# Altium PCB mdriver_power.PcbDoc (part 2 of 5)
Units mm, origin at the board's own origin, x right, y up, seen from the top; angles counter-clockwise.
Board outline 219 x 190 mm, 4 copper layers (Top Layer, Int1 (GND), Int2 (PWR), Bottom Layer), stack 1.369 mm thick; 308 components, 215 nets, 985 pads, 431 vias.
Unrouted connection lines stored in the file: 74.
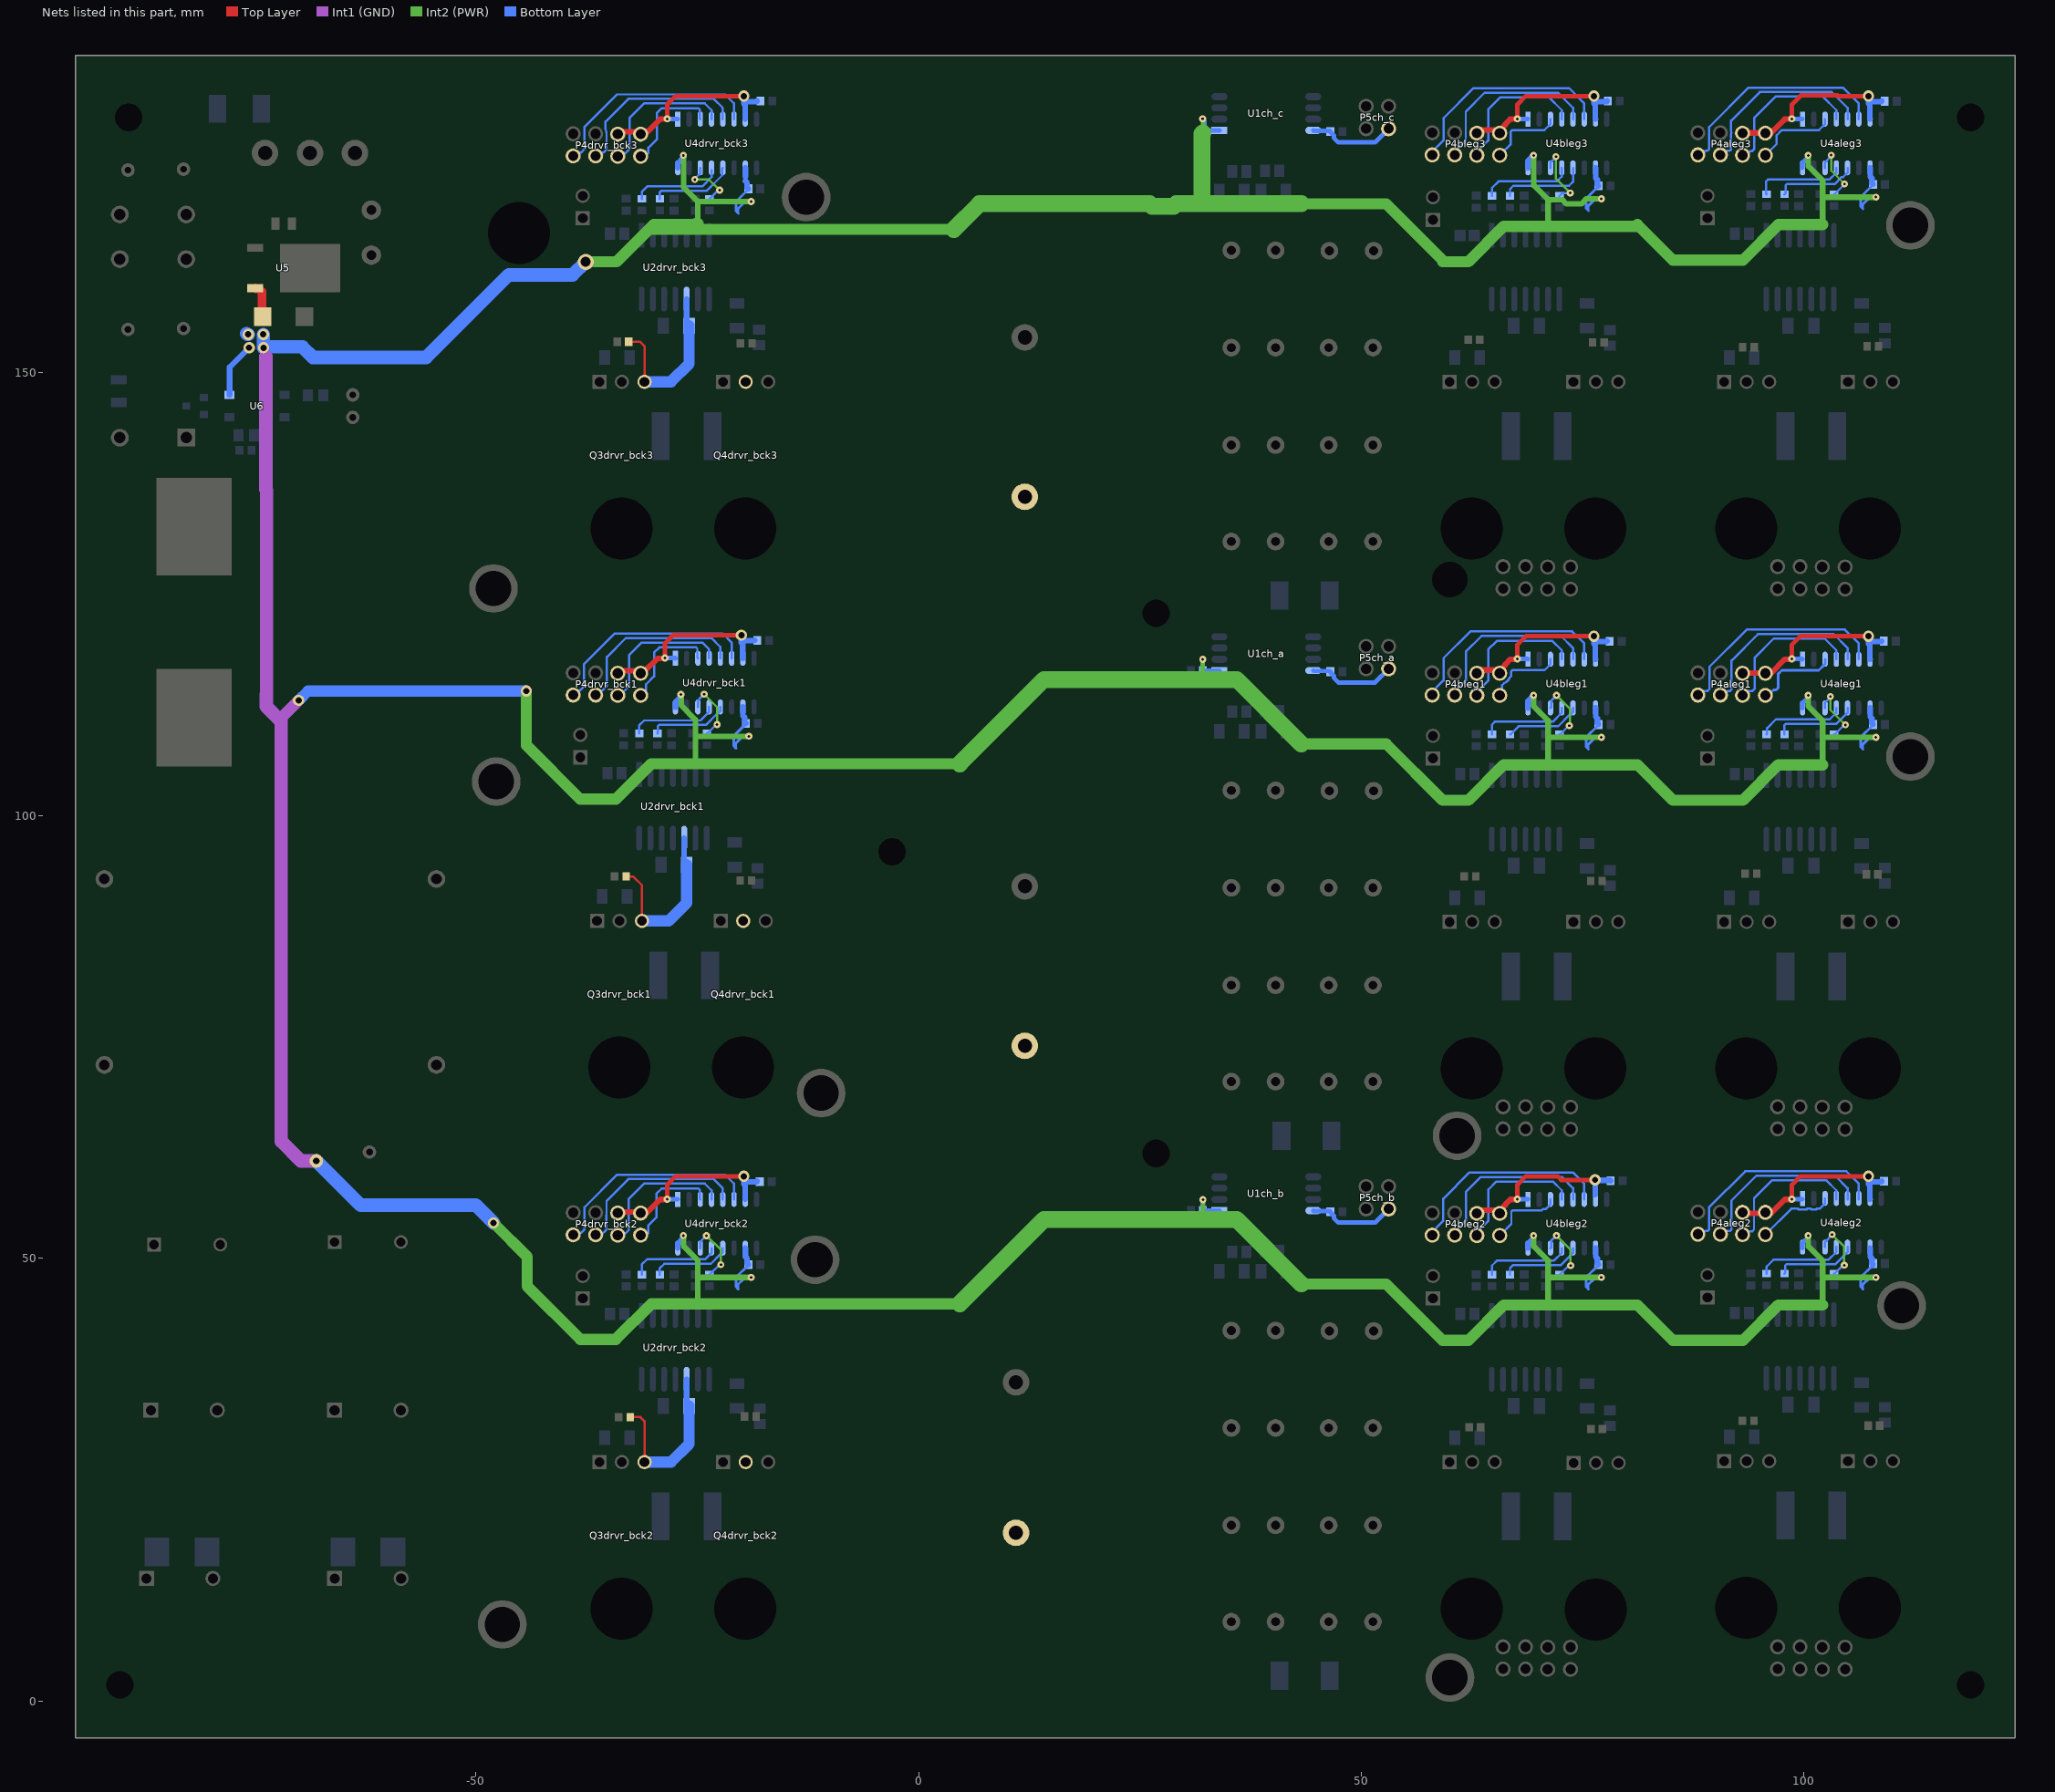
[diagram p4: the nets of this part, all layers, seen from the top]

## Part data
C1ch_a C1ch_b C1ch_c C2ch_a C2ch_b C2ch_c C3ch_a C3ch_b C3ch_c C4ch_a C4ch_b C4ch_c C5ch_a C5ch_b C5ch_c C6ch_a C6ch_b C6ch_c C7ch_a C7ch_b C7ch_c C8ch_a C8ch_b C8ch_c: library part "Cap Pol1", "Polarized Capacitor (Radial)", Supplier Part Number 1=P124237-ND, LatestRevisionDate=17-Jul-2002, LatestRevisionNote="Re-released for DXP Platform.", PackageDescription="Polarized Capacitor (Radial); 2 Leads", PackageReference=RB7.6-15, Published=8-Jun-2000, Publisher="Altium Limited", Supplier 1=Digi-Key
C9aleg1 C9aleg2 C9aleg3 C9bleg1 C9bleg2 C9bleg3 C9drvr_bck1 C9drvr_bck2 C9drvr_bck3: library part Cap, "Capacitor", Supplier Part Number 1=399-8204-1-ND, LatestRevisionDate=17-Jul-2002, LatestRevisionNote="Re-released for DXP Platform.", PackageDescription="Radial Cap, Thru-Hole; 2 Leads; 0.3 in Pin Spacing", PackageReference=RAD-0.3, Published=8-Jun-2000, Publisher="Altium Limited", Supplier 1=Digi-Key
C10aleg1 C10aleg2 C10aleg3 C10bleg1 C10bleg2 C10bleg3 C10drvr_bck1 C10drvr_bck2 C10drvr_bck3: library part Cap, "Capacitor", LatestRevisionDate=17-Jul-2002, LatestRevisionNote="Re-released for DXP Platform.", PackageDescription="Radial Cap, Thru-Hole; 2 Leads; 0.3 in Pin Spacing", PackageReference=RAD-0.3, Published=8-Jun-2000, Publisher="Altium Limited"
C12 C13 C14 C16 C27 C28: library part CMP-2000-07350-1, "Aluminum Electrolytic Capacitor, 330 uF, +/- 20%, 100 V, -40 to 105 degC, 2-Pin THD, RoHS, Bulk", Capacitance=330µF, Case Size/Dimension=Ø18x20mm, Manufacturer=Nichicon, Operating Temp-Max=105°C, Package Description="2-Pin Through Hole Device, Dia 18 mm, Body Length 22 mm", Package Reference=CAPPR80-750-2000X1800X2200, Rated Voltage=100V, Datasheet URL=http://products.nichicon.co.jp/en/pdf/XJA043/e-uhe.pdf, Datasheet Version=08/2015, Manufacturer URL=http://www.nichicon.co.jp/english/, Mounting Technology=ThroughHole, Type=Radial
C15aleg1 C15aleg2 C15aleg3 C15bleg1 C15bleg2 C15bleg3 C15drvr_bck1 C15drvr_bck2 C15drvr_bck3: library part CMP-08246-001668-1, "Cap Ceramic 2.2uF 250V X7T 20% Pad SMD 2220 +125°C Automotive T/R / CGA9P3X7T2E225M250KE", Capacitance=2.2uF, Case Code (Imperial)=2220, Case Code (Metric)=5750, Dielectric=X7T, Max Operating Temperature=125°C, Min Operating Temperature=-55°C, Package Quantity=500, Ratings=AEC-Q200, Tolerance=20%, Voltage Rating=250V, Case/Package=2220, Depth=5mm, Features="Soft Termination", Height=2.5mm, Length=5.7mm, Mount="Surface Mount", Packaging="Tape and Reel", Termination=SMD/SMT, Thickness=0.098inch, Voltage Rating (DC)=250V, Weight=0.016932oz, Width=0.197inch
C17 C18: library part Cap, "Capacitor", Supplier Part Number 1=399-13010-ND, LatestRevisionDate=17-Jul-2002, LatestRevisionNote="Re-released for DXP Platform.", PackageDescription="Radial Cap, Thru-Hole; 2 Leads; 0.3 in Pin Spacing", PackageReference=RAD-0.3, Published=8-Jun-2000, Publisher="Altium Limited", Supplier 1=Digi-Key
C20ch_a C20ch_b C20ch_c C26ch_a C26ch_b C26ch_c: library part Cap, "Capacitor", Supplier Part Number 1=478-5028-1-ND, LatestRevisionDate=17-Jul-2002, LatestRevisionNote="Re-released for DXP Platform.", PackageDescription="Radial Cap, Thru-Hole; 2 Leads; 0.3 in Pin Spacing", PackageReference=RAD-0.3, Published=8-Jun-2000, Publisher="Altium Limited", Supplier 1=Digi-Key
C21aleg1 C21aleg2 C21aleg3 C21bleg1 C21bleg2 C21bleg3 C21drvr_bck1 C21drvr_bck2 C21drvr_bck3 C22ch_a C22ch_b C22ch_c C23ch_a C23ch_b C23ch_c caleg1 caleg2 caleg3 cbleg1 cbleg2 cbleg3 cdrvr_bck1 cdrvr_bck2 cdrvr_bck3: library part cap_smd, Supplier Part Number 1=445-5666-1-ND, Supplier 1=Digi-Key
C24: library part CMP-03017-000041-1, "CAP TANT 22UF 10% 10V 2312", Capacitance=22uF, Case Code (Imperial)=2312, Case Code (Metric)=6032, Case/Package=Molded, Dielectric Material=Tantalum, ESR (Equivalent Series Resistance)=1.8R, Leakage Current=2.2uA, Max Operating Temperature=125°C, Min Operating Temperature=-55°C, Package Quantity=1, Tolerance=20%, Voltage=10V, Construction=Flat, Depth=3.2mm, Dissipation Factor=6%, Features="General Purpose", Height=2.5mm, Height - Seated (Max)=0.11inch, Lead Free="Lead Free", Length=6mm, Life (Hours)=2000Hour, Mount="Surface Mount", Number of Pins=2, Packaging="Tape and Reel", Polarity=Polar, Radiation Hardening=No, REACH SVHC="No SVHC", RoHS Compliant=Yes, Series=T491, Size=2.5mm, Termination=SMD/SMT, Voltage Rating=10V, Voltage Rating (DC)=10V, Width=3.2mm
C25: library part CMP-1036-04410-2, "CAP CER 0.1UF 25V X7R 0805", Capacitance="100 nF", Manufacturer=Yageo, Manufacturer Part Number=CC0805KRX7R8BB104, Package=CC0805-0.85, Temperature="-30°C to +85°C", Temperature Characteristic=X7R, Temperature Range High=+85°C, Temperature Range Low=-30°C, Tolerance=0.1, Voltage Rating="25 V", Automotive=No, Category=Cap, ComponentLink2Description=Datasheet, ComponentLink2URL=http://www.yageo.com/documents/recent/UPY-GPHC_Y5V_6.3V-to-50V_8.pdf, Device Class L1="Passive Components", Device Class L2=Capacitors, Device Class L3="Ceramic Capacitors", Digikey Description="CAP CER 0.1UF 25V X7R 0805", Footprint Url=http://www.yageo.com/exep/pages/download/literatures/UPY-C_GEN_24.pdf, Height=0.95mm, Ipc Land Pattern Name=CAPC200125X85, Lead Free=Yes, Material=Ceramic, Mouser Description="Multilayer Ceramic Capacitors MLCC - SMD/SMT 100nF 25V X7R 10%", Octopart=https://octopart.com/cc0805krx7r8bb104-yageo-39467766, RoHS=TRUE
C29: library part cap_smd
C36aleg1 C36aleg2 C36aleg3 C36bleg1 C36bleg2 C36bleg3 C36drvr_bck1 C36drvr_bck2 C36drvr_bck3 C37aleg1 C37aleg2 C37aleg3 C37bleg1 C37bleg2 C37bleg3 C37drvr_bck1 C37drvr_bck2 C37drvr_bck3 C38aleg1 C38aleg2 C38aleg3 C38bleg1 C38bleg2 C38bleg3 C38drvr_bck1 C38drvr_bck2 C38drvr_bck3: "Capacitor", LatestRevisionDate=17-Jul-2002, LatestRevisionNote="Re-released for DXP Platform.", PackageDescription="Radial Cap, Thru-Hole; 2 Leads; 0.3 in Pin Spacing", PackageReference=RAD-0.3, Published=8-Jun-2000, Publisher="Altium Limited"
D1: "Default Diode", Supplier Part Number 1=1560-GP3D020A065A-ND, Code_JEDEC=DO-214-AB, LatestRevisionDate=17-Jul-2002, LatestRevisionNote="Re-released for DXP Platform.", PackageDescription="DO-214-AB/SMC; 2 C-Bend Leads; Body 7.9 x 5.9 mm, inc. leads (LxW)", PackageReference=SMC, PackageVersion=Sep-1996, Published=8-Jun-2000, Publisher="Altium Limited", Supplier 1=Digi-Key
F1: library part CMP-16042-000002-1, "FUSE BRD MNT 15A 125VAC/VDC", Fuse Current=15A, Fuse Interrupt Ac Current=50A, Fuse Interrupt Dc Current=300A, Fuse Voltage Drop=0.13V, Manufacturer="Bel Fuse", Max Fuse Ac Voltage=125V, Package=0679L, Resistance=0.0038Ω, Temperature="-55°C to +125°C", Temperature Range High=+125°C, Temperature Range Low=-55°C, Automotive=Yes, Automotive Grade="Grade 1", Category=Fuse, ComponentLink2Description=Datasheet, ComponentLink2URL=https://www.belfuse.com/resources/CircuitProtection/datasheets/0679L%20Sep2016.pdf, Device Class L1="Circuit Protection", Device Class L2=Fuses, Device Class L3=unset, Digikey Description="FUSE BRD MNT 15A 125VAC/VDC", Fuse Blow Speed=Fast, Fuse I2T=103.5A2Sec, Height=2.79mm, Ipc Land Pattern Name=CAPC610254X254, Lead Free=Yes, Manufacturer Part Number=0679L9150-01, Max Fuse Dc Voltage=125V, Octopart=https://octopart.com/0679l9150-01-bel+fuse-70850665, RoHS=TRUE, Voltage Rating=125V
J1: library part wuerth_connector_straight_30_20A_691311500103, Supplier Part Number 1=732-2059-ND, Supplier 1=Digi-Key
K2: library part CMP-03395-000032-1, "RELAY GEN PURPOSE SPST 16A 12V", Ambient Temperature Range High=+85°C, Ambient Temperature Range Low=-40°C, Coil Power=400mW, Coil Resistance=360Ω, Coil Voltage=12V, Current Rating=16A, Manufacturer="TE Connectivity", Automotive=No, Category=Relay, Coil Type=Non-Latching, ComponentLink2Description=Datasheet, ComponentLink2URL=https://www.te.com/commerce/DocumentDelivery/DDEController?Action=showdoc&DocId=Data+Sheet%7FRZ%7F0918%7Fpdf%7FEnglish%7FENG_DS_RZ_0918.pdf%7F1-1415899-6, Device Class L1=Electromechanical, Device Class L2=Relays, Device Class L3="Power Relays", Digikey Description="RELAY GEN PURPOSE SPST 16A 12V", Height=16mm, Lead Free=Yes, Manufacturer Part Number=1-1415899-6, Number of Contacts=1, Octopart=https://octopart.com/1-1415899-6-te+connectivity-46507462, Package=1-1415899-6, RoHS=TRUE, Throw Configuration=SPST-NO
L1_ch_a L1_ch_b L1_ch_c: library part Inductor, "Inductor", Supplier Part Number 1=595-1735-ND, Code_IEC=1005, Code_JEITA=0402, LatestRevisionDate=29-May-2009, LatestRevisionNote="IPC-7351 Footprint Added.", PackageDescription="Chip Inductor", PackageReference=0402-A, Published=8-Jun-2000, Publisher="Altium Limited", Supplier 1=Digi-Key
L2: Supplier Part Number 1=732-11714-ND, Code_IEC=1005, Code_JEITA=0402, LatestRevisionDate=29-May-2009, LatestRevisionNote="IPC-7351 Footprint Added.", PackageDescription="Chip Inductor", PackageReference=0402-A, Published=8-Jun-2000, Publisher="Altium Limited", Supplier 1=Digi-Key
P1aleg1 P1aleg2 P1aleg3 P1bleg1 P1bleg2 P1bleg3 P1drvr_bck1 P1drvr_bck2 P1drvr_bck3: library part CMP-1712-00002-4, "THT Vertical Pin Header WR-PHD, Pitch 2.54 mm, Single Row, 2 pins", Contact Resistance=20mOhm, Manufacturer="Wurth Elektronik", Operating Temperature=-40to105degC, Rated Current=3A, Withstanding Voltage=500VAC, Working Voltage=250VAC, Datasheet URL=https://katalog.we-online.de/em/datasheet/6130xx11121.pdf, Gender=Male, Manufacturer URL=http://www.we-online.de, Mounting Technology=THT, Orientation=Vertical, Package Reference=61300211121, Packaging=Bag, Part Number=61300211121, Pin Number=2, Pitch=2.54mm, Publisher=WurthElektronik, Row Number=Single
P2ch_a P2ch_b P2ch_c P3ch_a P3ch_b P3ch_c: "Header, 8-Pin", LatestRevisionDate=17-Jul-2002, LatestRevisionNote="Re-released for DXP Platform.", Publisher="Altium Limited"
P4aleg1 P4aleg2 P4aleg3 P4bleg1 P4bleg2 P4bleg3 P4drvr_bck1 P4drvr_bck2 P4drvr_bck3: "Header, 4-Pin, Dual row", LatestRevisionDate=17-Jul-2002, LatestRevisionNote="Re-released for DXP Platform.", Publisher="Altium Limited", System=Connector
P5ch_a P5ch_b P5ch_c: "Header, 4-Pin", LatestRevisionDate=17-Jul-2002, LatestRevisionNote="Re-released for DXP Platform.", Publisher="Altium Limited"
P7: "Header, 2-Pin, Right Angle", LatestRevisionDate=17-Jul-2002, LatestRevisionNote="Re-released for DXP Platform.", Publisher="Altium Limited"
Q2: library part CMP-12801-000047-1, "MOSFET N-CH 60V 1.6A SOT23", Continuous Drain Current=1.6A, Drain To Source Breakdown Voltage=60V, Drain To Source Resistance=92mΩ, Gate To Source Voltage=20V, Input Capacitace At Vds="315pF @ 40V", Manufacturer="Diodes Inc.", Max Forward Diode Voltage=1V, Max Junction Temp=+150°C, Package=SOT23, Power Dissipation=0.7W, Pulse Drain Current=10A, Temperature="-55°C to +150°C", Temperature Range Low=-55°C, Typ Forward Diode Voltage=0.75V, Automotive=No, Category=Trans, ComponentLink2Description=Datasheet, ComponentLink2URL=https://www.diodes.com/assets/Datasheets/DMN6140L.pdf, Depletion Mode=False, Device Class L1="Discrete Semiconductors", Device Class L2=Transistors, Device Class L3=MOSFETs, Digikey Description="MOSFET N-CH 60V 1.6A SOT23", Drain To Source Voltage=60V, Footprint Url=https://www.diodes.com/assets/Package-Files/SOT23.pdf, Gate Charge At Vgs="8.6nC @ 10V", Height=1.1mm, Lead Free=Yes, Manufacturer Part Number=DMN6140L-13, Mouser Description="MOSFET 31V to 99V N-Ch FET 60Vds 20Vgs 2.3A", Number of Channels=1, Number Of N Channels=1, Octopart=https://octopart.com/dmn6140l-13-diodes+inc.-38898616, Reverse Recovery Charge=9nC, Reverse Recovery Time=16.8ns, RoHS=TRUE, Rthja Max=183°C/W, Standoff Height=0.013mm, Temperature Range High=+150°C, Threshold Vgs Max=3V, Threshold Vgs Min=1V, Turn Off Delay Time=16.3ns, Turn On Delay Time=2.6ns
Q4aleg1 Q4aleg2 Q4aleg3 Q4bleg1 Q4bleg2 Q4bleg3 Q4drvr_bck1 Q4drvr_bck2 Q4drvr_bck3: "N-Channel MOSFET", LatestRevisionDate=17-Jul-2002, LatestRevisionNote="Re-released for DXP Platform.", PackageDescription="TO, Flat Index; 3 In-Line, Axial Leads; Body Dia. 4.6mm; Lead Dia. 0.5 mm (max)", PackageReference=E3, PackageVersion=1995/1996, Published=8-Jun-2000, Publisher="Altium Limited"
R1 R2: library part Res1, "Resistor", Supplier Part Number 1=13-FKN100JR-73-33RCT-ND, LatestRevisionDate=17-Jul-2002, LatestRevisionNote="Re-released for DXP Platform.", PackageDescription="Axial Device, Thru-Hole; 2 Leads; 0.3 in Pin Spacing", PackageReference=AXIAL-0.3, Published=8-Jun-2000, Publisher="Altium Limited", Supplier 1=Digi-Key
R5aleg1 R5aleg2 R5aleg3 R5bleg1 R5bleg2 R5bleg3 R5drvr_bck1 R5drvr_bck2 R5drvr_bck3 R6aleg1 R6aleg2 R6aleg3 R6bleg1 R6bleg2 R6bleg3 R6drvr_bck1 R6drvr_bck2 R6drvr_bck3 R8aleg1 R8aleg2 R8aleg3 R8bleg1 R8bleg2 R8bleg3 R8drvr_bck1 R8drvr_bck2 R8drvr_bck3 R10aleg1 R10aleg2 R10aleg3 R10bleg1 R10bleg2 R10bleg3 R10drvr_bck1 R10drvr_bck2 R10drvr_bck3 R22 R23: library part Res1, "Resistor", LatestRevisionDate=17-Jul-2002, LatestRevisionNote="Re-released for DXP Platform.", PackageDescription="Axial Device, Thru-Hole; 2 Leads; 0.3 in Pin Spacing", PackageReference=AXIAL-0.3, Published=8-Jun-2000, Publisher="Altium Limited"
R7aleg1 R7aleg2 R7aleg3 R7bleg1 R7bleg2 R7bleg3 R7drvr_bck1 R7drvr_bck2 R7drvr_bck3 R11aleg1 R11aleg2 R11aleg3 R11bleg1 R11bleg2 R11bleg3 R11drvr_bck1 R11drvr_bck2 R11drvr_bck3: "Resistor", LatestRevisionDate=17-Jul-2002, LatestRevisionNote="Re-released for DXP Platform.", PackageDescription="Axial Device, Thru-Hole; 2 Leads; 0.3 in Pin Spacing", PackageReference=AXIAL-0.3, Published=8-Jun-2000, Publisher="Altium Limited"
R12ch_a R12ch_b R12ch_c: "Resistor", Supplier Part Number 1=A110767CT-ND, LatestRevisionDate=17-Jul-2002, LatestRevisionNote="Re-released for DXP Platform.", PackageDescription="Axial Device, Thru-Hole; 2 Leads; 0.3 in Pin Spacing", PackageReference=AXIAL-0.3, Published=8-Jun-2000, Publisher="Altium Limited", Supplier 1=Digi-Key
R13ch_a R13ch_b R13ch_c: "Resistor", Supplier Part Number 1=P13KDACT-ND, LatestRevisionDate=17-Jul-2002, LatestRevisionNote="Re-released for DXP Platform.", PackageDescription="Axial Device, Thru-Hole; 2 Leads; 0.3 in Pin Spacing", PackageReference=AXIAL-0.3, Published=8-Jun-2000, Publisher="Altium Limited", Supplier 1=Digi-Key
R14 R15 R16ch_a R16ch_b R16ch_c: library part CMP-02407-007498-1, "RES Thick Film, 20kΩ, 1%, 1W, 100ppm/°C, 2512 / CRCW251220K0FKEG", Case Code (Imperial)=2512, Case Code (Metric)=6432, Max Operating Temperature=155°C, Max Power Dissipation=1W, Min Operating Temperature=-55°C, Package Quantity=10, Resistance=20kR, Temperature Coefficient=100ppm/°C, Tolerance=1%, Voltage Rating=500V, Case/Package=2512, Composition="Thick Film", Contact Plating=Tin, Depth=3.15mm, Features="Automotive AEC-Q200", Height=0.028inch, Lead Free="Lead Free", Length=6.3mm, Military Standard=Not, Number of Pins=2, Number of Terminations=2, Packaging="Tape and Reel", Power Rating=1W, Radiation Hardening=No, Termination=SMD/SMT, Voltage Rating (DC)=500V, Weight=0.001429oz, Width=0.124inch
R17aleg1 R17aleg2 R17aleg3 R17bleg1 R17bleg2 R17bleg3 R17drvr_bck1 R17drvr_bck2 R17drvr_bck3 R18aleg1 R18aleg2 R18aleg3 R18bleg1 R18bleg2 R18bleg3 R18drvr_bck1 R18drvr_bck2 R18drvr_bck3: library part Res1, LatestRevisionDate=17-Jul-2002, LatestRevisionNote="Re-released for DXP Platform.", PackageDescription="Axial Device, Thru-Hole; 2 Leads; 0.3 in Pin Spacing", PackageReference=AXIAL-0.3, Published=8-Jun-2000, Publisher="Altium Limited"
R20: library part CMP-2003-04801-2, "RES Thick Film, 100Ω, 1%, 0.25W, 100ppm/°C, 1206 / CRCW1206100RFKEA", Case Code (Imperial)=1206, Case Code (Metric)=3216, Max Operating Temperature=155°C, Min Operating Temperature=-55°C, Package Quantity=5000, Power Rating=250mW, Resistance=100R, Temperature Coefficient=100ppm/°C, Tolerance=1%, Voltage Rating=200V, Case/Package=1206, Composition="Thick Film", Contact Plating=Tin, Depth=1.6mm, Height=0.55mm, Lead Free="Lead Free", Length=3.2mm, Military Standard=Not, Mount="Surface Mount", Number of Pins=2, Packaging="Tape and Reel", Radiation Hardening=No, Termination=SMD/SMT, Voltage Rating (DC)=200V, Weight=0.000353oz, Width=1.6mm
U1ch_a U1ch_b U1ch_c: Supplier Part Number 1=TLP7820(TLECT-ND, Supplier 1=Digi-Key
U2aleg1 U2aleg2 U2aleg3 U2bleg1 U2bleg2 U2bleg3 U2drvr_bck1 U2drvr_bck2 U2drvr_bck3: library part 2EDL23I06PJ, Supplier Part Number 1=2EDL23N06PJXUMA1CT-ND, Supplier 1=Digi-Key
U4aleg1 U4aleg2 U4aleg3 U4bleg1 U4bleg2 U4bleg3 U4drvr_bck1 U4drvr_bck2 U4drvr_bck3: Supplier Part Number 1=MAX14931EASE+-ND, Supplier 1=Digi-Key
U5: library part CMP-0244-00200-1, "1A Very Low Drop Regulator, 3-Pin DPAK, Tape and Reel", ComponentLink1Description="Manufacturer URL", ComponentLink1URL=http://www.st.com, ComponentLink2Description=Datasheet, ComponentLink2URL=http://www.st.com/internet/com/TECHNICAL_RESOURCES/TECHNICAL_LITERATURE/DATASHEET/CD00000443.pdf, DatasheetVersion=15/09/2006, PackageDescription="3-Pin Transistor Outline Package 2.28 mm Pitch, 9.7 mm Lead Span (DPAK)", PackageReference=TO-252, PackageVersion=2011
U6: library part CMP-2000-07046-1, "Optocoupler Phototransistor Output, 6 V, 50 mA, -55 to 100 degC, 4-Pin SOIC, RoHS, Tape and Reel", Collector Current (DC)=0.1A, Collector-Emitter Saturation Voltage=0.3V, Collector-Emitter Voltage=70V, Current Transfer Ratio=300%, Forward Current=50mA, Forward Voltage=1.4V, Isolation Voltage=3750V, Manufacturer=Vishay, Operating Temp Range=-55Cto100C, Operating Temperature Classification=Industrial, Package Description="4-Pin Small Outline Package Integrated Circuit, Body 4.575 x 4.42 mm, Pitch 2.54 mm", Package Reference=SOP-4, Package Type=SOP, Power Dissipation=0.15W, Reverse Breakdown Voltage=6V, Collector Current (DC) (Max)=0.1A, Datasheet URL=http://www.vishay.com/docs/83686/sfh690ab.pdf, Datasheet Version="Rev. 2.6, 11/2015", DELETED=Compliant, Input Type=DC, Manufacturer URL=http://www.vishay.com/, Mounting=SurfaceMount, Mounting Technology=SurfaceMount, Number of  Elements=1, Output Device=Transistor, Output Type=DC, Packaging=TapeandReel, Pin Count=4, Rad Hardened=No

## Via types
v1: diameter 1.27, hole 0.711, Top Layer to Bottom Layer, 247 vias
v2: diameter 0.8, hole 0.3, Top Layer to Bottom Layer, tented both sides, 160 vias
v3: diameter 0.8, hole 0.35, Top Layer to Bottom Layer, 8 vias
v4: diameter 5, hole 5, Top Layer to Bottom Layer, 6 vias
v5: diameter 3.4, hole 3.4, Top Layer to Bottom Layer, 4 vias
v6: diameter 3.2, hole 3.2, Top Layer to Bottom Layer, 4 vias
v7: diameter 1.8, hole 1.1, Top Layer to Bottom Layer, 2 vias
